# KiCad board TEST_PANEL.kicad_pcb (continued)
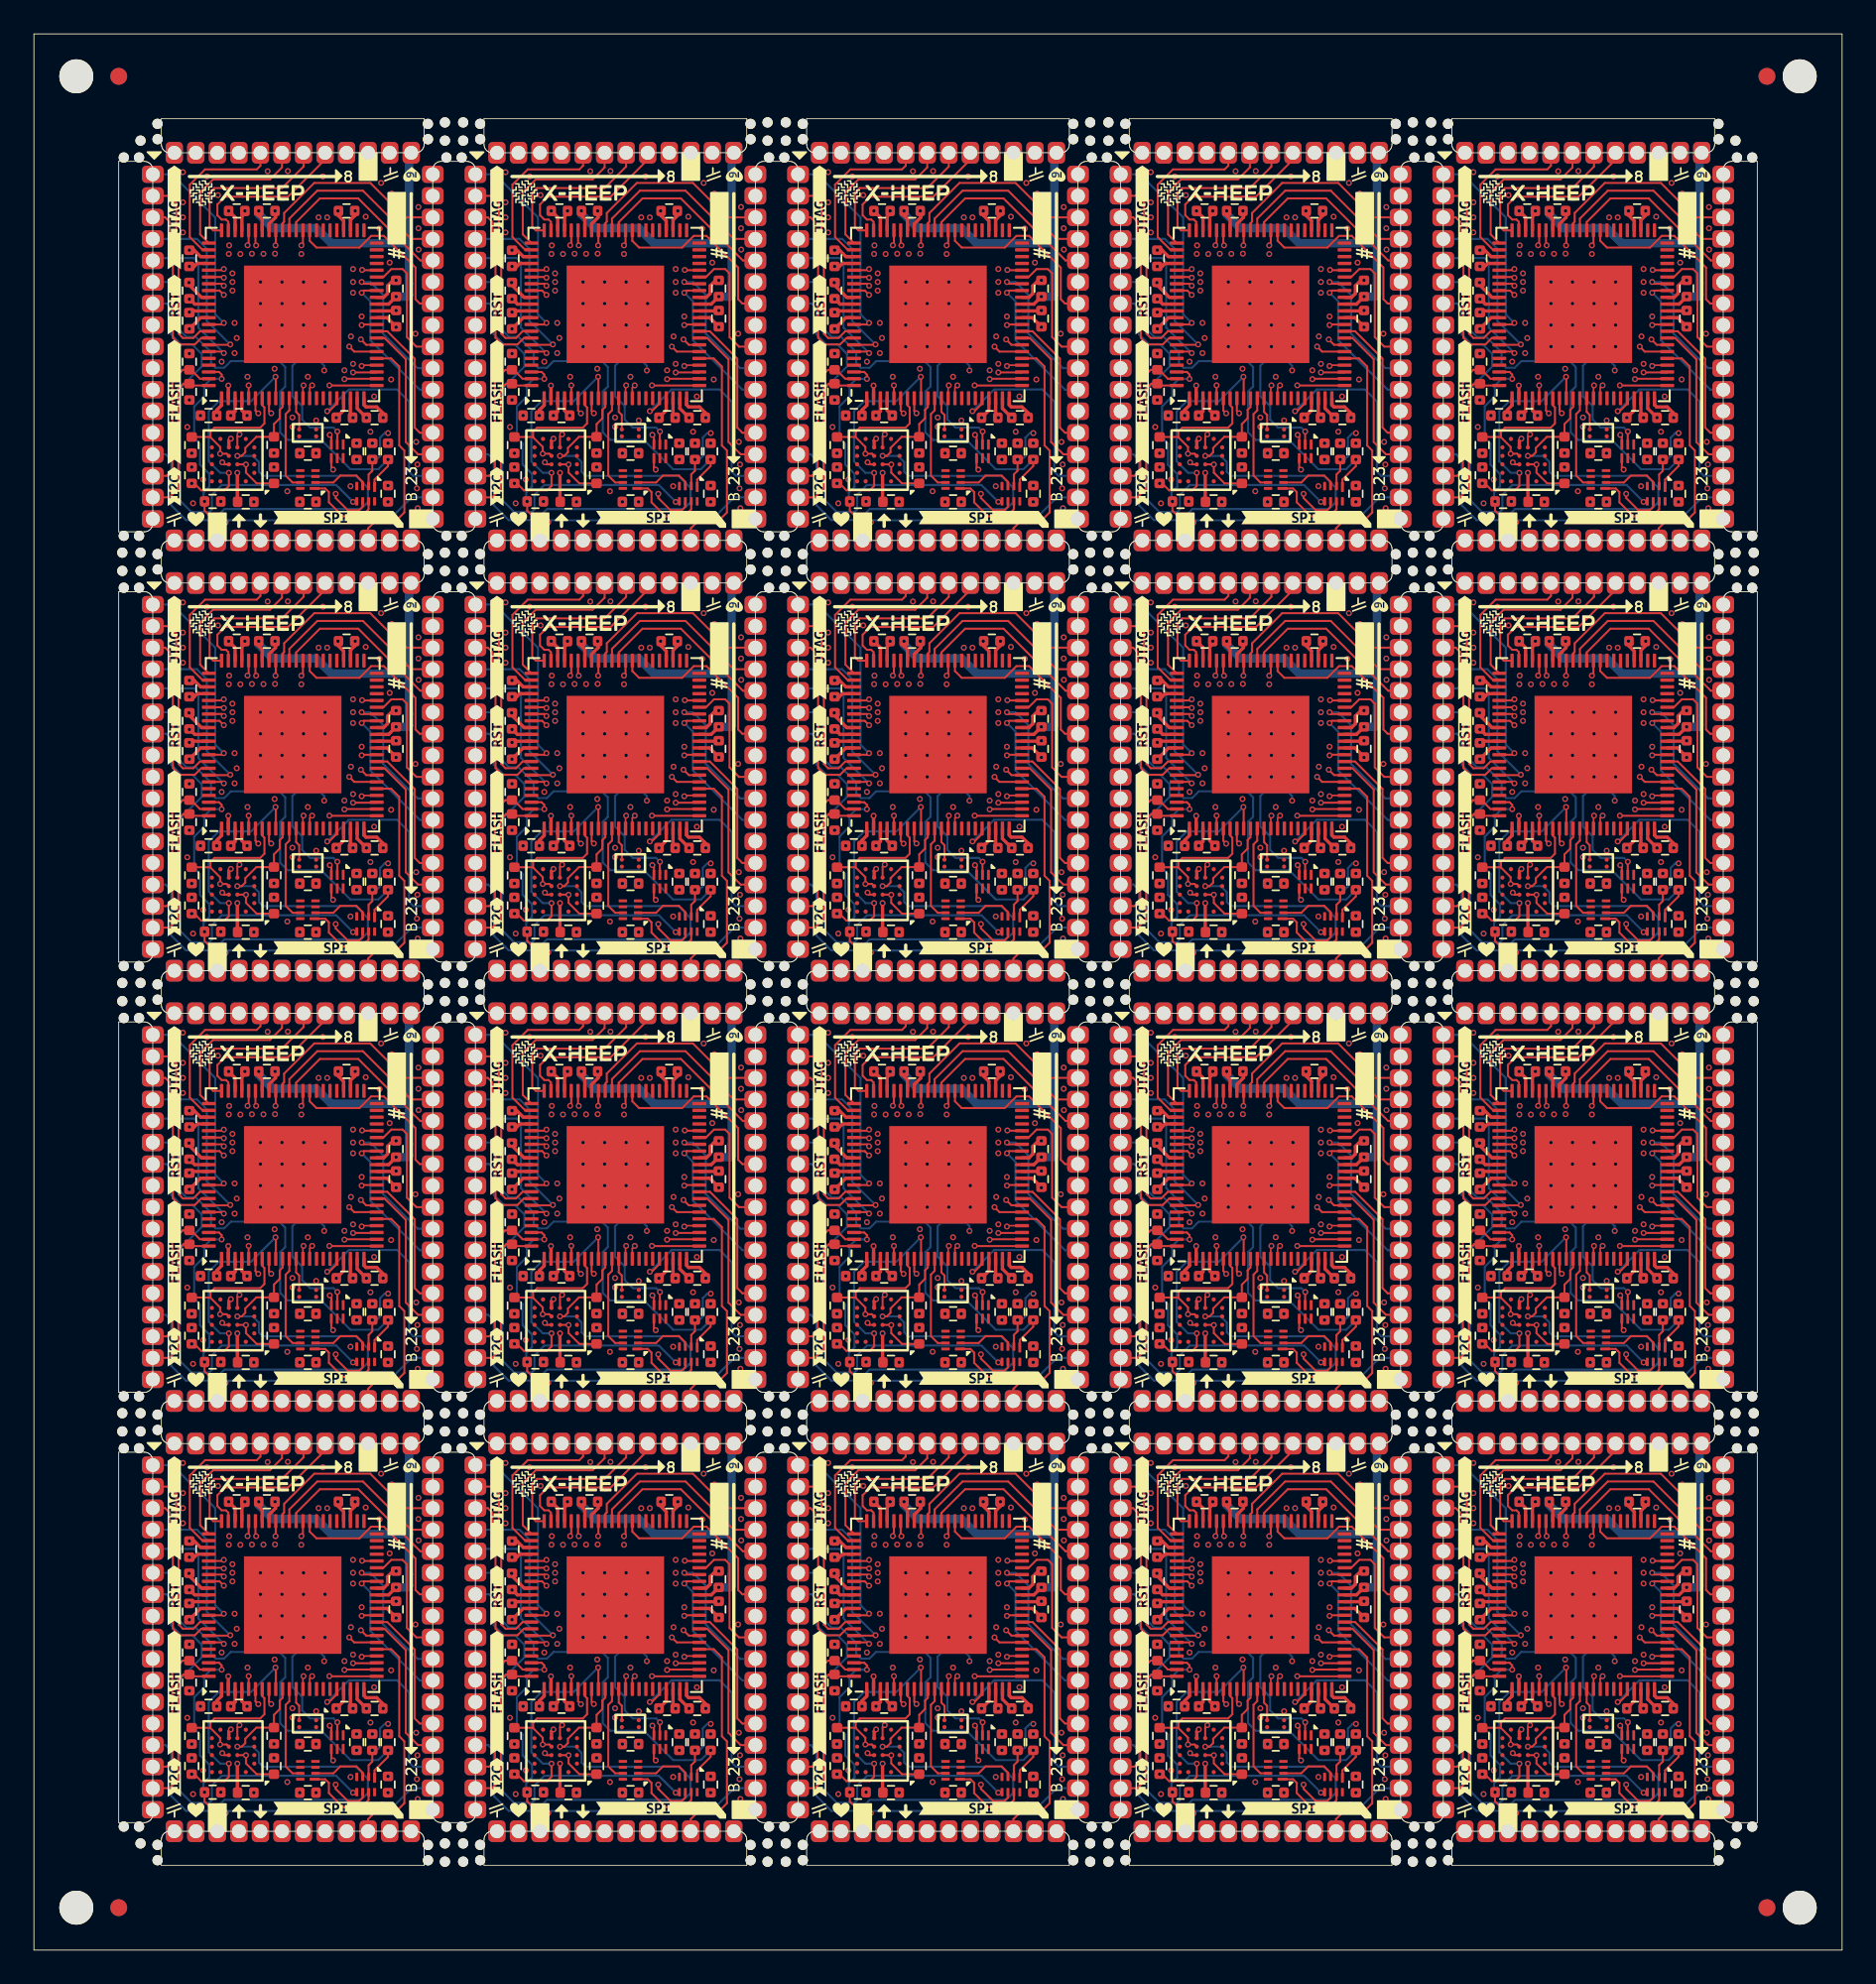
[diagram p0: board, top side]
## Routing (per net, layer and track width the routed paths; a pad name or vN(x,y) marks a point on that pad's centre or on a via; arc(x,y) is an arc through that point) (continued)
  Bottom w0.5: 98.22,100.65 98.22,97.6 98.13,97.5 v1(97.46,97.5) ; 98.22,100.65 93.64,100.65 92.75,101.54 90.18,101.54 89.36,102.36 v1(89.36,102.55) ; 98.22,100.65 98.22,105.85 98.35,105.98 ; v1(97.46,46.76) 98.13,46.76 98.22,46.86 98.22,49.9 ; 60.17,75.28 60.17,80.48 J13.47 ; 60.17,75.28 55.59,75.28 54.7,76.16 52.13,76.16 51.31,76.98 v1(51.31,77.18) ; 60.17,75.28 60.17,72.23 60.07,72.13 v1(59.41,72.13) ; 98.22,49.9 93.64,49.9 92.75,50.79 90.18,50.79 89.36,51.61 v1(89.36,51.81) ; 98.22,49.9 98.22,55.11 J10.47 ; 41.27,105.98 41.15,105.85 41.15,100.65 ; v1(13.26,102.55) 13.26,102.36 14.08,101.54 16.64,101.54 17.53,100.65 22.12,100.65 ; 41.15,100.65 41.15,97.6 41.05,97.5 v1(40.38,97.5) ; 41.15,100.65 36.56,100.65 35.67,101.54 33.11,101.54 32.28,102.36 v1(32.28,102.55) ; J7.47 41.15,55.11 41.15,49.9 ; 41.15,24.53 41.15,29.74 J2.47 ; 41.15,24.53 36.56,24.53 35.67,25.42 33.11,25.42 32.28,26.24 v1(32.28,26.44) ; 41.15,24.53 41.15,21.49 41.05,21.39 v1(40.38,21.39) ; J6.47 22.12,55.11 22.12,49.9 ; J1.47 22.12,29.74 22.12,24.53 ; v1(51.31,102.55) 51.31,102.36 52.13,101.54 54.7,101.54 55.59,100.65 60.17,100.65 ; v1(89.36,77.18) 89.36,76.98 90.18,76.16 92.75,76.16 93.64,75.28 98.22,75.28 ; 79.2,100.65 79.2,105.85 79.33,105.98 ; 79.2,100.65 74.61,100.65 73.72,101.54 71.16,101.54 70.34,102.36 v1(70.34,102.55) ; 79.2,100.65 79.2,97.6 79.1,97.5 v1(78.44,97.5) ; 60.17,24.53 55.59,24.53 54.7,25.42 52.13,25.42 51.31,26.24 v1(51.31,26.44) ; 60.17,24.53 60.17,21.49 60.07,21.39 v1(59.41,21.39) ; 60.17,24.53 60.17,29.74 J3.47 ; v1(51.31,51.81) 51.31,51.61 52.13,50.79 54.7,50.79 55.59,49.9 60.17,49.9 ; v1(78.44,72.13) 79.1,72.13 79.2,72.23 79.2,75.28 ; v1(13.26,77.18) 13.26,76.98 14.08,76.16 16.64,76.16 17.53,75.28 22.12,75.28 ; 60.17,49.9 60.17,46.86 60.07,46.76 v1(59.41,46.76) ; 60.17,49.9 60.17,55.11 J8.47 ; 79.2,24.53 79.2,29.74 J4.47 ; 79.2,24.53 74.61,24.53 73.72,25.42 71.16,25.42 70.34,26.24 v1(70.34,26.44) ; 79.2,24.53 79.2,21.49 79.1,21.39 v1(78.44,21.39) ; 22.12,49.9 17.53,49.9 16.64,50.79 14.08,50.79 13.26,51.61 v1(13.26,51.81) ; 22.12,49.9 22.12,46.86 22.02,46.76 v1(21.36,46.76) ; 98.22,24.53 93.64,24.53 92.75,25.42 90.18,25.42 89.36,26.24 v1(89.36,26.44) ; 98.22,24.53 98.22,29.74 J5.47 ; 98.22,24.53 98.22,21.49 98.13,21.39 v1(97.46,21.39) ; v1(21.36,72.13) 22.02,72.13 22.12,72.23 22.12,75.28 ; 79.2,75.28 79.2,80.48 J14.47 ; 79.2,75.28 74.61,75.28 73.72,76.16 71.16,76.16 70.34,76.98 v1(70.34,77.18) ; 60.3,105.98 60.17,105.85 60.17,100.65 ; 22.12,100.65 22.12,105.85 22.25,105.98 ; 22.12,100.65 22.12,97.6 22.02,97.5 v1(21.36,97.5) ; 22.12,75.28 22.12,80.48 J11.47 ; 79.2,49.9 74.61,49.9 73.72,50.79 71.16,50.79 70.34,51.61 v1(70.34,51.81) ; 79.2,49.9 79.2,46.86 79.1,46.76 v1(78.44,46.76) ; 79.2,49.9 79.2,55.11 J9.47 ; 41.15,49.9 36.56,49.9 35.67,50.79 33.11,50.79 32.28,51.61 v1(32.28,51.81) ; 41.15,49.9 41.15,46.86 41.05,46.76 v1(40.38,46.76) ; 98.22,75.28 98.22,80.48 J15.47 ; 98.22,75.28 98.22,72.23 98.13,72.13 v1(97.46,72.13) ; 60.17,100.65 60.17,97.6 60.07,97.5 v1(59.41,97.5) ; 41.15,75.28 36.56,75.28 35.67,76.16 33.11,76.16 32.28,76.98 v1(32.28,77.18) ; 41.15,75.28 41.15,72.23 41.05,72.13 v1(40.38,72.13) ; 41.15,75.28 41.15,80.48 J12.47 ; v1(13.26,26.44) 13.26,26.24 14.08,25.42 16.64,25.42 17.53,24.53 22.12,24.53 ; v1(21.36,21.39) 22.02,21.39 22.12,21.49 22.12,24.53

## Copper pours and planes (outline as drawn; the poured copper is in the pictures)
Board_15-+1V8 on Top: 75.22,12.24 76.49,12.24 76.49,11.38 75.22,11.38
Board_15-+1V8 on Top: 46.98,63.24 47.74,63.24 47.74,61.72 46.98,61.72
Board_15-+1V8 on Top: 46.98,37.87 47.74,37.87 47.74,36.35 46.98,36.35
Board_15-+1V8 on Top: 85.03,63.24 85.79,63.24 85.79,61.72 85.03,61.72
Board_15-+1V8 on Top: 50.45,85.01 48.68,85.01 48.68,85.82 50.45,85.82
Board_15-+1V8 on Top: 15.25,38.59 15.38,38.72 15.89,38.72 16.02,38.59 16.02,37.09 15.25,37.09
Board_15-+1V8 on Top: 31.43,8.9 29.66,8.9 29.66,9.71 31.43,9.71
Board_15-+1V8 on Top: 15.25,13.22 15.38,13.35 15.89,13.35 16.02,13.22 16.02,11.71 15.25,11.71
Board_15-+1V8 on Top: 56.19,88.35 57.46,88.35 57.46,87.49 56.19,87.49
Board_15-+1V8 on Top: 27.95,37.87 28.71,37.87 28.71,36.35 27.95,36.35
Board_15-+1V8 on Top: 91.36,38.59 91.49,38.72 91.99,38.72 92.12,38.59 92.12,37.09 91.36,37.09
Board_15-+1V8 on Top: 32.8,12.5 33.56,12.5 33.56,10.98 32.8,10.98
Board_15-+1V8 on Top: 88.51,59.64 86.74,59.64 86.74,60.45 88.51,60.45
Board_15-+1V8 on Top: 70.85,63.24 71.61,63.24 71.61,61.72 70.85,61.72
Board_15-+1V8 on Top: 91.36,63.97 91.49,64.09 91.99,64.09 92.12,63.97 92.12,62.46 91.36,62.46
Board_15-+1V8 on Top: 89.88,37.87 90.64,37.87 90.64,36.35 89.88,36.35
Board_15-+1V8 on Top: 69.48,59.64 67.71,59.64 67.71,60.45 69.48,60.45
Board_15-+1V8 on Top: 13.77,88.62 14.54,88.62 14.54,87.09 13.77,87.09
Board_15-+1V8 on Top: 70.85,37.87 71.61,37.87 71.61,36.35 70.85,36.35
Board_15-+1V8 on Top: 89.88,63.24 90.64,63.24 90.64,61.72 89.88,61.72
Board_15-+1V8 on Top: 12.4,85.01 10.63,85.01 10.63,85.82 12.4,85.82
Board_15-+1V8 on Top: 56.19,62.98 57.46,62.98 57.46,62.12 56.19,62.12
Board_15-+1V8 on Top: 13.77,12.5 14.54,12.5 14.54,10.98 13.77,10.98
Board_15-+1V8 on Top: 31.43,34.27 29.66,34.27 29.66,35.08 31.43,35.08
Board_15-+1V8 on Top: 53.31,89.34 53.43,89.46 53.94,89.46 54.07,89.34 54.07,87.83 53.31,87.83
Board_15-+1V8 on Top: 31.43,85.01 29.66,85.01 29.66,85.82 31.43,85.82
Board_15-+1V8 on Top: 66,88.62 66.76,88.62 66.76,87.09 66,87.09
Board_15-+1V8 on Top: 85.03,88.62 85.79,88.62 85.79,87.09 85.03,87.09
Board_15-+1V8 on Top: 18.14,37.61 19.41,37.61 19.41,36.75 18.14,36.75
Board_15-+1V8 on Top: 94.25,37.61 95.51,37.61 95.51,36.75 94.25,36.75
Board_15-+1V8 on Top: 31.43,59.64 29.66,59.64 29.66,60.45 31.43,60.45
Board_15-+1V8 on Top: 32.8,63.24 33.56,63.24 33.56,61.72 32.8,61.72
Board_15-+1V8 on Top: 37.17,88.35 38.44,88.35 38.44,87.49 37.17,87.49
Board_15-+1V8 on Top: 13.77,63.24 14.54,63.24 14.54,61.72 13.77,61.72
Board_15-+1V8 on Top: 50.45,59.64 48.68,59.64 48.68,60.45 50.45,60.45
Board_15-+1V8 on Top: 18.14,88.35 19.41,88.35 19.41,87.49 18.14,87.49
Board_15-+1V8 on Top: 91.36,89.34 91.49,89.46 91.99,89.46 92.12,89.34 92.12,87.83 91.36,87.83
Board_15-+1V8 on Top: 32.8,37.87 33.56,37.87 33.56,36.35 32.8,36.35
Board_15-+1V8 on Top: 94.25,62.98 95.51,62.98 95.51,62.12 94.25,62.12
Board_15-+1V8 on Top: 70.85,12.5 71.61,12.5 71.61,10.98 70.85,10.98
Board_15-+1V8 on Top: 37.17,12.24 38.44,12.24 38.44,11.38 37.17,11.38
Board_15-+1V8 on Top: 46.98,12.5 47.74,12.5 47.74,10.98 46.98,10.98
Board_15-+1V8 on Top: 27.95,63.24 28.71,63.24 28.71,61.72 27.95,61.72
Board_15-+1V8 on Top: 53.31,63.97 53.43,64.09 53.94,64.09 54.07,63.97 54.07,62.46 53.31,62.46
Board_15-+1V8 on Top: 69.48,8.9 67.71,8.9 67.71,9.71 69.48,9.71
Board_15-+1V8 on Top: 12.4,34.27 10.63,34.27 10.63,35.08 12.4,35.08
Board_15-+1V8 on Top: 70.85,88.62 71.61,88.62 71.61,87.09 70.85,87.09
Board_15-+1V8 on Top: 51.83,63.24 52.59,63.24 52.59,61.72 51.83,61.72
Board_15-+1V8 on Top: 27.95,88.62 28.71,88.62 28.71,87.09 27.95,87.09
Board_15-+1V8 on Top: 8.92,63.24 9.69,63.24 9.69,61.72 8.92,61.72
Board_15-+1V8 on Top: 69.48,34.27 67.71,34.27 67.71,35.08 69.48,35.08
Board_15-+1V8 on Top: 88.51,8.9 86.74,8.9 86.74,9.71 88.51,9.71
Board_15-+1V8 on Top: 53.31,13.22 53.43,13.35 53.94,13.35 54.07,13.22 54.07,11.71 53.31,11.71
Board_15-+1V8 on Top: 13.77,37.87 14.54,37.87 14.54,36.35 13.77,36.35
Board_15-+1V8 on Top: 94.25,88.35 95.51,88.35 95.51,87.49 94.25,87.49
Board_15-+1V8 on Top: 66,12.5 66.76,12.5 66.76,10.98 66,10.98
Board_15-+1V8 on Top: 15.25,63.97 15.38,64.09 15.89,64.09 16.02,63.97 16.02,62.46 15.25,62.46
Board_15-+1V8 on Top: 8.92,12.5 9.69,12.5 9.69,10.98 8.92,10.98
Board_15-+1V8 on Top: 15.25,89.34 15.38,89.46 15.89,89.46 16.02,89.34 16.02,87.83 15.25,87.83
Board_15-+1V8 on Top: 72.33,13.22 72.46,13.35 72.97,13.35 73.09,13.22 73.09,11.71 72.33,11.71
Board_15-+1V8 on Top: 8.92,37.87 9.69,37.87 9.69,36.35 8.92,36.35
Board_15-+1V8 on Top: 94.25,12.24 95.51,12.24 95.51,11.38 94.25,11.38
Board_15-+1V8 on Top: 89.88,88.62 90.64,88.62 90.64,87.09 89.88,87.09
Board_15-+1V8 on Top: 53.31,38.59 53.43,38.72 53.94,38.72 54.07,38.59 54.07,37.09 53.31,37.09
Board_15-+1V8 on Top: 56.19,12.24 57.46,12.24 57.46,11.38 56.19,11.38
Board_15-+1V8 on Top: 50.45,34.27 48.68,34.27 48.68,35.08 50.45,35.08
Board_15-+1V8 on Top: 88.51,85.01 86.74,85.01 86.74,85.82 88.51,85.82
Board_15-+1V8 on Top: 12.4,8.9 10.63,8.9 10.63,9.71 12.4,9.71
Board_15-+1V8 on Top: 89.88,12.5 90.64,12.5 90.64,10.98 89.88,10.98
Board_15-+1V8 on Top: 66,37.87 66.76,37.87 66.76,36.35 66,36.35
Board_15-+1V8 on Top: 34.28,13.22 34.41,13.35 34.92,13.35 35.04,13.22 35.04,11.71 34.28,11.71
Board_15-+1V8 on Top: 51.83,12.5 52.59,12.5 52.59,10.98 51.83,10.98
Board_15-+1V8 on Top: 37.17,62.98 38.44,62.98 38.44,62.12 37.17,62.12
Board_15-+1V8 on Top: 18.14,62.98 19.41,62.98 19.41,62.12 18.14,62.12
Board_15-+1V8 on Top: 12.4,59.64 10.63,59.64 10.63,60.45 12.4,60.45
Board_15-+1V8 on Top: 32.8,88.62 33.56,88.62 33.56,87.09 32.8,87.09
Board_15-+1V8 on Top: 72.33,89.34 72.46,89.46 72.97,89.46 73.09,89.34 73.09,87.83 72.33,87.83
Board_15-+1V8 on Top: 37.17,37.61 38.44,37.61 38.44,36.75 37.17,36.75
Board_15-+1V8 on Top: 56.19,37.61 57.46,37.61 57.46,36.75 56.19,36.75
Board_15-+1V8 on Top: 72.33,63.97 72.46,64.09 72.97,64.09 73.09,63.97 73.09,62.46 72.33,62.46
Board_15-+1V8 on Top: 34.28,38.59 34.41,38.72 34.92,38.72 35.04,38.59 35.04,37.09 34.28,37.09
Board_15-+1V8 on Top: 51.83,88.62 52.59,88.62 52.59,87.09 51.83,87.09
Board_15-+1V8 on Top: 75.22,88.35 76.49,88.35 76.49,87.49 75.22,87.49
Board_15-+1V8 on Top: 66,63.24 66.76,63.24 66.76,61.72 66,61.72
Board_15-+1V8 on Top: 50.45,8.9 48.68,8.9 48.68,9.71 50.45,9.71
Board_15-+1V8 on Top: 91.36,13.22 91.49,13.35 91.99,13.35 92.12,13.22 92.12,11.71 91.36,11.71
Board_15-+1V8 on Top: 27.95,12.5 28.71,12.5 28.71,10.98 27.95,10.98
Board_15-+1V8 on Top: 75.22,62.98 76.49,62.98 76.49,62.12 75.22,62.12
Board_15-+1V8 on Top: 8.92,88.62 9.69,88.62 9.69,87.09 8.92,87.09
Board_15-+1V8 on Top: 88.51,34.27 86.74,34.27 86.74,35.08 88.51,35.08
Board_15-+1V8 on Top: 34.28,63.97 34.41,64.09 34.92,64.09 35.04,63.97 35.04,62.46 34.28,62.46
Board_15-+1V8 on Top: 18.14,12.24 19.41,12.24 19.41,11.38 18.14,11.38
Board_15-+1V8 on Top: 85.03,37.87 85.79,37.87 85.79,36.35 85.03,36.35
Board_15-+1V8 on Top: 72.33,38.59 72.46,38.72 72.97,38.72 73.09,38.59 73.09,37.09 72.33,37.09
Board_15-+1V8 on Top: 46.98,88.62 47.74,88.62 47.74,87.09 46.98,87.09
Board_15-+1V8 on Top: 75.22,37.61 76.49,37.61 76.49,36.75 75.22,36.75
Board_15-+1V8 on Top: 69.48,85.01 67.71,85.01 67.71,85.82 69.48,85.82
Board_15-+1V8 on Top: 85.03,12.5 85.79,12.5 85.79,10.98 85.03,10.98
Board_15-+1V8 on Top: 51.83,37.87 52.59,37.87 52.59,36.35 51.83,36.35
Board_15-+1V8 on Top: 34.28,89.34 34.41,89.46 34.92,89.46 35.04,89.34 35.04,87.83 34.28,87.83
Board_15-+1V8 on In2.Cu: 43.05,30.37 43.05,6.49 25.52,6.51 25.52,30.38
Board_15-+1V8 on In2.Cu: 43.05,81.12 43.05,57.24 25.52,57.25 25.52,81.12
Board_15-+1V8 on In2.Cu: 43.05,55.74 43.05,31.86 25.52,31.88 25.52,55.75
Board_15-+1V8 on In2.Cu: 81.1,81.12 81.1,57.24 63.57,57.25 63.57,81.12
Board_15-+1V8 on In2.Cu: 81.1,106.49 81.1,82.61 63.57,82.62 63.57,106.49
Board_15-+1V8 on In2.Cu: 62.08,55.74 62.07,31.86 44.55,31.88 44.55,55.75
Board_15-+1V8 on In2.Cu: 24.02,106.49 24.02,82.61 6.49,82.62 6.49,106.49
Board_15-+1V8 on In2.Cu: 24.02,81.12 24.02,57.24 6.49,57.25 6.49,81.12
Board_15-+1V8 on In2.Cu: 62.08,81.12 62.07,57.24 44.55,57.25 44.55,81.12
Board_15-+1V8 on In2.Cu: 62.08,106.49 62.07,82.61 44.55,82.62 44.55,106.49
Board_15-+1V8 on In2.Cu: 24.02,55.74 24.02,31.86 6.49,31.88 6.49,55.75
Board_15-+1V8 on In2.Cu: 81.1,30.37 81.1,6.49 63.57,6.51 63.57,30.38
Board_15-+1V8 on In2.Cu: 24.02,30.37 24.02,6.49 6.49,6.51 6.49,30.38
Board_15-+1V8 on In2.Cu: 81.1,55.74 81.1,31.86 63.57,31.88 63.57,55.75
Board_15-+1V8 on In2.Cu: 62.08,30.37 62.07,6.49 44.55,6.51 44.55,30.38
Board_15-+1V8 on In2.Cu: 100.13,55.74 100.13,31.86 82.6,31.88 82.6,55.75
Board_15-+1V8 on In2.Cu: 100.13,81.12 100.13,57.24 82.6,57.25 82.6,81.12
Board_15-+1V8 on In2.Cu: 100.13,30.37 100.13,6.49 82.6,6.51 82.6,30.38
Board_15-+1V8 on In2.Cu: 100.13,106.49 100.13,82.61 82.6,82.62 82.6,106.49
Board_15-+1V8 on In2.Cu: 43.05,106.49 43.05,82.61 25.52,82.62 25.52,106.49
Board_15-GND on Top: 67.9,68.67 68.02,68.54 68.4,68.54 68.4,68.04 68.28,67.91 66.88,67.91 66.88,68.67
Board_15-GND on Top: 17.09,10.96 16.22,10.96 15.95,10.68 15.27,10.68 15.27,11.26 15.52,11.53 16.1,11.53 16.27,11.71 16.27,11.71 16.27,11.88 16.27,11.88 16.27,14.32 17.09,14.32
Board_15-GND on Top: 17.42,102.42 17.88,101.92 18.06,101.92 18.06,100.9 16.53,100.9 16.53,102.42
Board_15-GND on Top: 29.84,68.67 29.97,68.54 30.35,68.54 30.35,68.04 30.22,67.91 28.83,67.91 28.83,68.67
Board_15-GND on Top: 17.09,36.33 16.22,36.33 15.95,36.05 15.27,36.05 15.27,36.63 15.52,36.9 16.1,36.9 16.27,37.08 16.27,37.08 16.27,37.25 16.27,37.25 16.27,39.69 17.09,39.69
Board_15-GND on Top: 10.82,68.67 10.94,68.54 11.33,68.54 11.33,68.04 11.2,67.91 9.8,67.91 9.8,68.67
Board_15-GND on Top: 86.92,94.04 87.05,93.92 87.43,93.92 87.43,93.41 87.3,93.28 85.91,93.28 85.91,94.04
Board_15-GND on Top: 67.9,17.93 68.02,17.8 68.4,17.8 68.4,17.29 68.28,17.17 66.88,17.17 66.88,17.93
Board_15-GND on Top: 93.2,61.7 92.33,61.7 92.05,61.42 91.37,61.42 91.37,62 91.62,62.27 92.2,62.27 92.38,62.45 92.37,62.45 92.37,62.62 92.38,62.62 92.38,65.06 93.2,65.06
Board_15-GND on Top: 93.53,51.68 93.98,51.18 94.16,51.17 94.16,50.16 92.64,50.16 92.64,51.68
Board_15-GND on Top: 48.87,17.93 49,17.8 49.38,17.8 49.38,17.29 49.25,17.17 47.85,17.17 47.85,17.93
Board_15-GND on Top: 36.45,102.42 36.9,101.92 37.08,101.92 37.08,100.9 35.56,100.9 35.56,102.42
Board_15-GND on Top: 36.12,61.7 35.25,61.7 34.98,61.42 34.3,61.42 34.3,62 34.55,62.27 35.12,62.27 35.3,62.45 35.3,62.45 35.3,62.62 35.3,62.62 35.3,65.06 36.12,65.06
Board_15-GND on Top: 74.5,51.68 74.95,51.18 75.13,51.17 75.13,50.16 73.61,50.16 73.61,51.68
Board_15-GND on Top: 74.5,26.31 74.95,25.81 75.13,25.8 75.13,24.79 73.61,24.79 73.61,26.31
Board_15-GND on Top: 29.84,17.93 29.97,17.8 30.35,17.8 30.35,17.29 30.22,17.17 28.83,17.17 28.83,17.93
Board_15-GND on Top: 55.47,102.42 55.93,101.92 56.11,101.92 56.11,100.9 54.59,100.9 54.59,102.42
Board_15-GND on Top: 55.15,10.96 54.28,10.96 54,10.68 53.32,10.68 53.32,11.26 53.57,11.53 54.15,11.53 54.32,11.71 54.32,11.71 54.32,11.88 54.32,11.88 54.32,14.32 55.15,14.32
Board_15-GND on Top: 55.47,51.68 55.93,51.18 56.11,51.17 56.11,50.16 54.59,50.16 54.59,51.68
Board_15-GND on Top: 93.53,102.42 93.98,101.92 94.16,101.92 94.16,100.9 92.64,100.9 92.64,102.42
Board_15-GND on Top: 74.5,77.05 74.95,76.55 75.13,76.55 75.13,75.53 73.61,75.53 73.61,77.05
Board_15-GND on Top: 67.9,94.04 68.02,93.92 68.4,93.92 68.4,93.41 68.28,93.28 66.88,93.28 66.88,94.04
Board_15-GND on Top: 55.47,26.31 55.93,25.81 56.11,25.8 56.11,24.79 54.59,24.79 54.59,26.31
Board_15-GND on Top: 67.9,43.3 68.02,43.17 68.4,43.17 68.4,42.67 68.28,42.54 66.88,42.54 66.88,43.3
Board_15-GND on Top: 74.17,87.07 73.3,87.07 73.03,86.8 72.35,86.8 72.35,87.37 72.6,87.65 73.17,87.65 73.35,87.82 73.35,87.82 73.35,88 73.35,88 73.35,90.43 74.17,90.43
Board_15-GND on Top: 55.15,36.33 54.28,36.33 54,36.05 53.32,36.05 53.32,36.63 53.57,36.9 54.15,36.9 54.32,37.08 54.32,37.08 54.32,37.25 54.32,37.25 54.32,39.69 55.15,39.69
Board_15-GND on Top: 48.87,68.67 49,68.54 49.38,68.54 49.38,68.04 49.25,67.91 47.85,67.91 47.85,68.67
Board_15-GND on Top: 10.82,94.04 10.94,93.92 11.33,93.92 11.33,93.41 11.2,93.28 9.8,93.28 9.8,94.04
Board_15-GND on Top: 17.09,61.7 16.22,61.7 15.95,61.42 15.27,61.42 15.27,62 15.52,62.27 16.1,62.27 16.27,62.45 16.27,62.45 16.27,62.62 16.27,62.62 16.27,65.06 17.09,65.06
Board_15-GND on Top: 10.82,43.3 10.94,43.17 11.33,43.17 11.33,42.67 11.2,42.54 9.8,42.54 9.8,43.3
Board_15-GND on Top: 93.2,36.33 92.33,36.33 92.05,36.05 91.37,36.05 91.37,36.63 91.62,36.9 92.2,36.9 92.38,37.08 92.37,37.08 92.37,37.25 92.38,37.25 92.38,39.69 93.2,39.69
Board_15-GND on Top: 74.17,61.7 73.3,61.7 73.03,61.42 72.35,61.42 72.35,62 72.6,62.27 73.17,62.27 73.35,62.45 73.35,62.45 73.35,62.62 73.35,62.62 73.35,65.06 74.17,65.06
Board_15-GND on Top: 29.84,43.3 29.97,43.17 30.35,43.17 30.35,42.67 30.22,42.54 28.83,42.54 28.83,43.3
Board_15-GND on Top: 74.17,36.33 73.3,36.33 73.03,36.05 72.35,36.05 72.35,36.63 72.6,36.9 73.17,36.9 73.35,37.08 73.35,37.08 73.35,37.25 73.35,37.25 73.35,39.69 74.17,39.69
Board_15-GND on Top: 36.45,51.68 36.9,51.18 37.08,51.17 37.08,50.16 35.56,50.16 35.56,51.68
Board_15-GND on Top: 93.2,87.07 92.33,87.07 92.05,86.8 91.37,86.8 91.37,87.37 91.62,87.65 92.2,87.65 92.38,87.82 92.37,87.82 92.37,88 92.38,88 92.38,90.43 93.2,90.43
Board_15-GND on Top: 55.47,77.05 55.93,76.55 56.11,76.55 56.11,75.53 54.59,75.53 54.59,77.05
Board_15-GND on Top: 17.09,87.07 16.22,87.07 15.95,86.8 15.27,86.8 15.27,87.37 15.52,87.65 16.1,87.65 16.27,87.82 16.27,87.82 16.27,88 16.27,88 16.27,90.43 17.09,90.43
Board_15-GND on Top: 36.45,26.31 36.9,25.81 37.08,25.8 37.08,24.79 35.56,24.79 35.56,26.31
Board_15-GND on Top: 10.82,17.93 10.94,17.8 11.33,17.8 11.33,17.29 11.2,17.17 9.8,17.17 9.8,17.93
Board_15-GND on Top: 17.42,26.31 17.88,25.81 18.06,25.8 18.06,24.79 16.53,24.79 16.53,26.31
Board_15-GND on Top: 36.45,77.05 36.9,76.55 37.08,76.55 37.08,75.53 35.56,75.53 35.56,77.05
Board_15-GND on Top: 55.15,61.7 54.28,61.7 54,61.42 53.32,61.42 53.32,62 53.57,62.27 54.15,62.27 54.32,62.45 54.32,62.45 54.32,62.62 54.32,62.62 54.32,65.06 55.15,65.06
Board_15-GND on Top: 86.92,17.93 87.05,17.8 87.43,17.8 87.43,17.29 87.3,17.17 85.91,17.17 85.91,17.93
Board_15-GND on Top: 93.53,77.05 93.98,76.55 94.16,76.55 94.16,75.53 92.64,75.53 92.64,77.05
Board_15-GND on Top: 36.12,36.33 35.25,36.33 34.98,36.05 34.3,36.05 34.3,36.63 34.55,36.9 35.12,36.9 35.3,37.08 35.3,37.08 35.3,37.25 35.3,37.25 35.3,39.69 36.12,39.69
Board_15-GND on Top: 93.53,26.31 93.98,25.81 94.16,25.8 94.16,24.79 92.64,24.79 92.64,26.31
Board_15-GND on Top: 48.87,94.04 49,93.92 49.38,93.92 49.38,93.41 49.25,93.28 47.85,93.28 47.85,94.04
Board_15-GND on Top: 93.2,10.96 92.33,10.96 92.05,10.68 91.37,10.68 91.37,11.26 91.62,11.53 92.2,11.53 92.38,11.71 92.37,11.71 92.37,11.88 92.38,11.88 92.38,14.32 93.2,14.32
Board_15-GND on Top: 36.12,10.96 35.25,10.96 34.98,10.68 34.3,10.68 34.3,11.26 34.55,11.53 35.12,11.53 35.3,11.71 35.3,11.71 35.3,11.88 35.3,11.88 35.3,14.32 36.12,14.32
Board_15-GND on Top: 17.42,77.05 17.88,76.55 18.06,76.55 18.06,75.53 16.53,75.53 16.53,77.05
Board_15-GND on Top: 29.84,94.04 29.97,93.92 30.35,93.92 30.35,93.41 30.22,93.28 28.83,93.28 28.83,94.04
Board_15-GND on Top: 55.15,87.07 54.28,87.07 54,86.8 53.32,86.8 53.32,87.37 53.57,87.65 54.15,87.65 54.32,87.82 54.32,87.82 54.32,88 54.32,88 54.32,90.43 55.15,90.43
Board_15-GND on Top: 86.92,68.67 87.05,68.54 87.43,68.54 87.43,68.04 87.3,67.91 85.91,67.91 85.91,68.67
Board_15-GND on Top: 17.42,51.68 17.88,51.18 18.06,51.17 18.06,50.16 16.53,50.16 16.53,51.68
Board_15-GND on Top: 86.92,43.3 87.05,43.17 87.43,43.17 87.43,42.67 87.3,42.54 85.91,42.54 85.91,43.3
Board_15-GND on Top: 74.5,102.42 74.95,101.92 75.13,101.92 75.13,100.9 73.61,100.9 73.61,102.42
Board_15-GND on Top: 36.12,87.07 35.25,87.07 34.98,86.8 34.3,86.8 34.3,87.37 34.55,87.65 35.12,87.65 35.3,87.82 35.3,87.82 35.3,88 35.3,88 35.3,90.43 36.12,90.43
Board_15-GND on Top: 74.17,10.96 73.3,10.96 73.03,10.68 72.35,10.68 72.35,11.26 72.6,11.53 73.17,11.53 73.35,11.71 73.35,11.71 73.35,11.88 73.35,11.88 73.35,14.32 74.17,14.32
Board_15-GND on Top: 48.87,43.3 49,43.17 49.38,43.17 49.38,42.67 49.25,42.54 47.85,42.54 47.85,43.3
Board_15-GND on In1.Cu, In3.Cu, In4.Cu: 63.58,30.38 81.1,30.37 81.1,6.5 63.58,6.5
Board_15-GND on In1.Cu, In3.Cu, In4.Cu: 6.5,106.49 24.02,106.49 24.02,82.62 6.5,82.61
Board_15-GND on In1.Cu, In3.Cu, In4.Cu: 63.58,106.49 81.1,106.49 81.1,82.62 63.58,82.61
Board_15-GND on In1.Cu, In3.Cu, In4.Cu: 82.6,55.75 100.13,55.75 100.13,31.87 82.6,31.87
Board_15-GND on In1.Cu, In3.Cu, In4.Cu: 44.55,81.12 62.08,81.12 62.08,57.24 44.55,57.24
Board_15-GND on In1.Cu, In3.Cu, In4.Cu: 63.58,81.12 81.1,81.12 81.1,57.24 63.58,57.24
Board_15-GND on In1.Cu, In3.Cu, In4.Cu: 25.53,106.49 43.05,106.49 43.05,82.62 25.53,82.61
Board_15-GND on In1.Cu, In3.Cu, In4.Cu: 82.6,30.38 100.13,30.37 100.13,6.5 82.6,6.5
Board_15-GND on In1.Cu, In3.Cu, In4.Cu: 82.6,81.12 100.13,81.12 100.13,57.24 82.6,57.24
Board_15-GND on In1.Cu, In3.Cu, In4.Cu: 44.55,55.75 62.08,55.75 62.08,31.87 44.55,31.87
Board_15-GND on In1.Cu, In3.Cu, In4.Cu: 25.53,81.12 43.05,81.12 43.05,57.24 25.53,57.24
Board_15-GND on In1.Cu, In3.Cu, In4.Cu: 44.55,106.49 62.08,106.49 62.08,82.62 44.55,82.61
Board_15-GND on In1.Cu, In3.Cu, In4.Cu: 82.6,106.49 100.13,106.49 100.13,82.62 82.6,82.61
Board_15-GND on In1.Cu, In3.Cu, In4.Cu: 25.53,30.38 43.05,30.37 43.05,6.5 25.53,6.5
Board_15-GND on In1.Cu, In3.Cu, In4.Cu: 6.5,81.12 24.02,81.12 24.02,57.24 6.5,57.24
Board_15-GND on In1.Cu, In3.Cu, In4.Cu: 6.5,30.38 24.02,30.37 24.02,6.5 6.5,6.5
Board_15-GND on In1.Cu, In3.Cu, In4.Cu: 63.58,55.75 81.1,55.75 81.1,31.87 63.58,31.87
Board_15-GND on In1.Cu, In3.Cu, In4.Cu: 25.53,55.75 43.05,55.75 43.05,31.87 25.53,31.87
Board_15-GND on In1.Cu, In3.Cu, In4.Cu: 6.5,55.75 24.02,55.75 24.02,31.87 6.5,31.87
Board_15-GND on In1.Cu, In3.Cu, In4.Cu: 44.55,30.38 62.08,30.37 62.08,6.5 44.55,6.5

Small or netless copper shapes (teardrops, artwork), in the pictures only: 60 on Top

## Text on the board
F.Silkscreen: B | 8 | 23 | #
